# Altium PCB HYDRA_V4_LINK_OLD.PcbDoc (part 1 of 2) (continued)
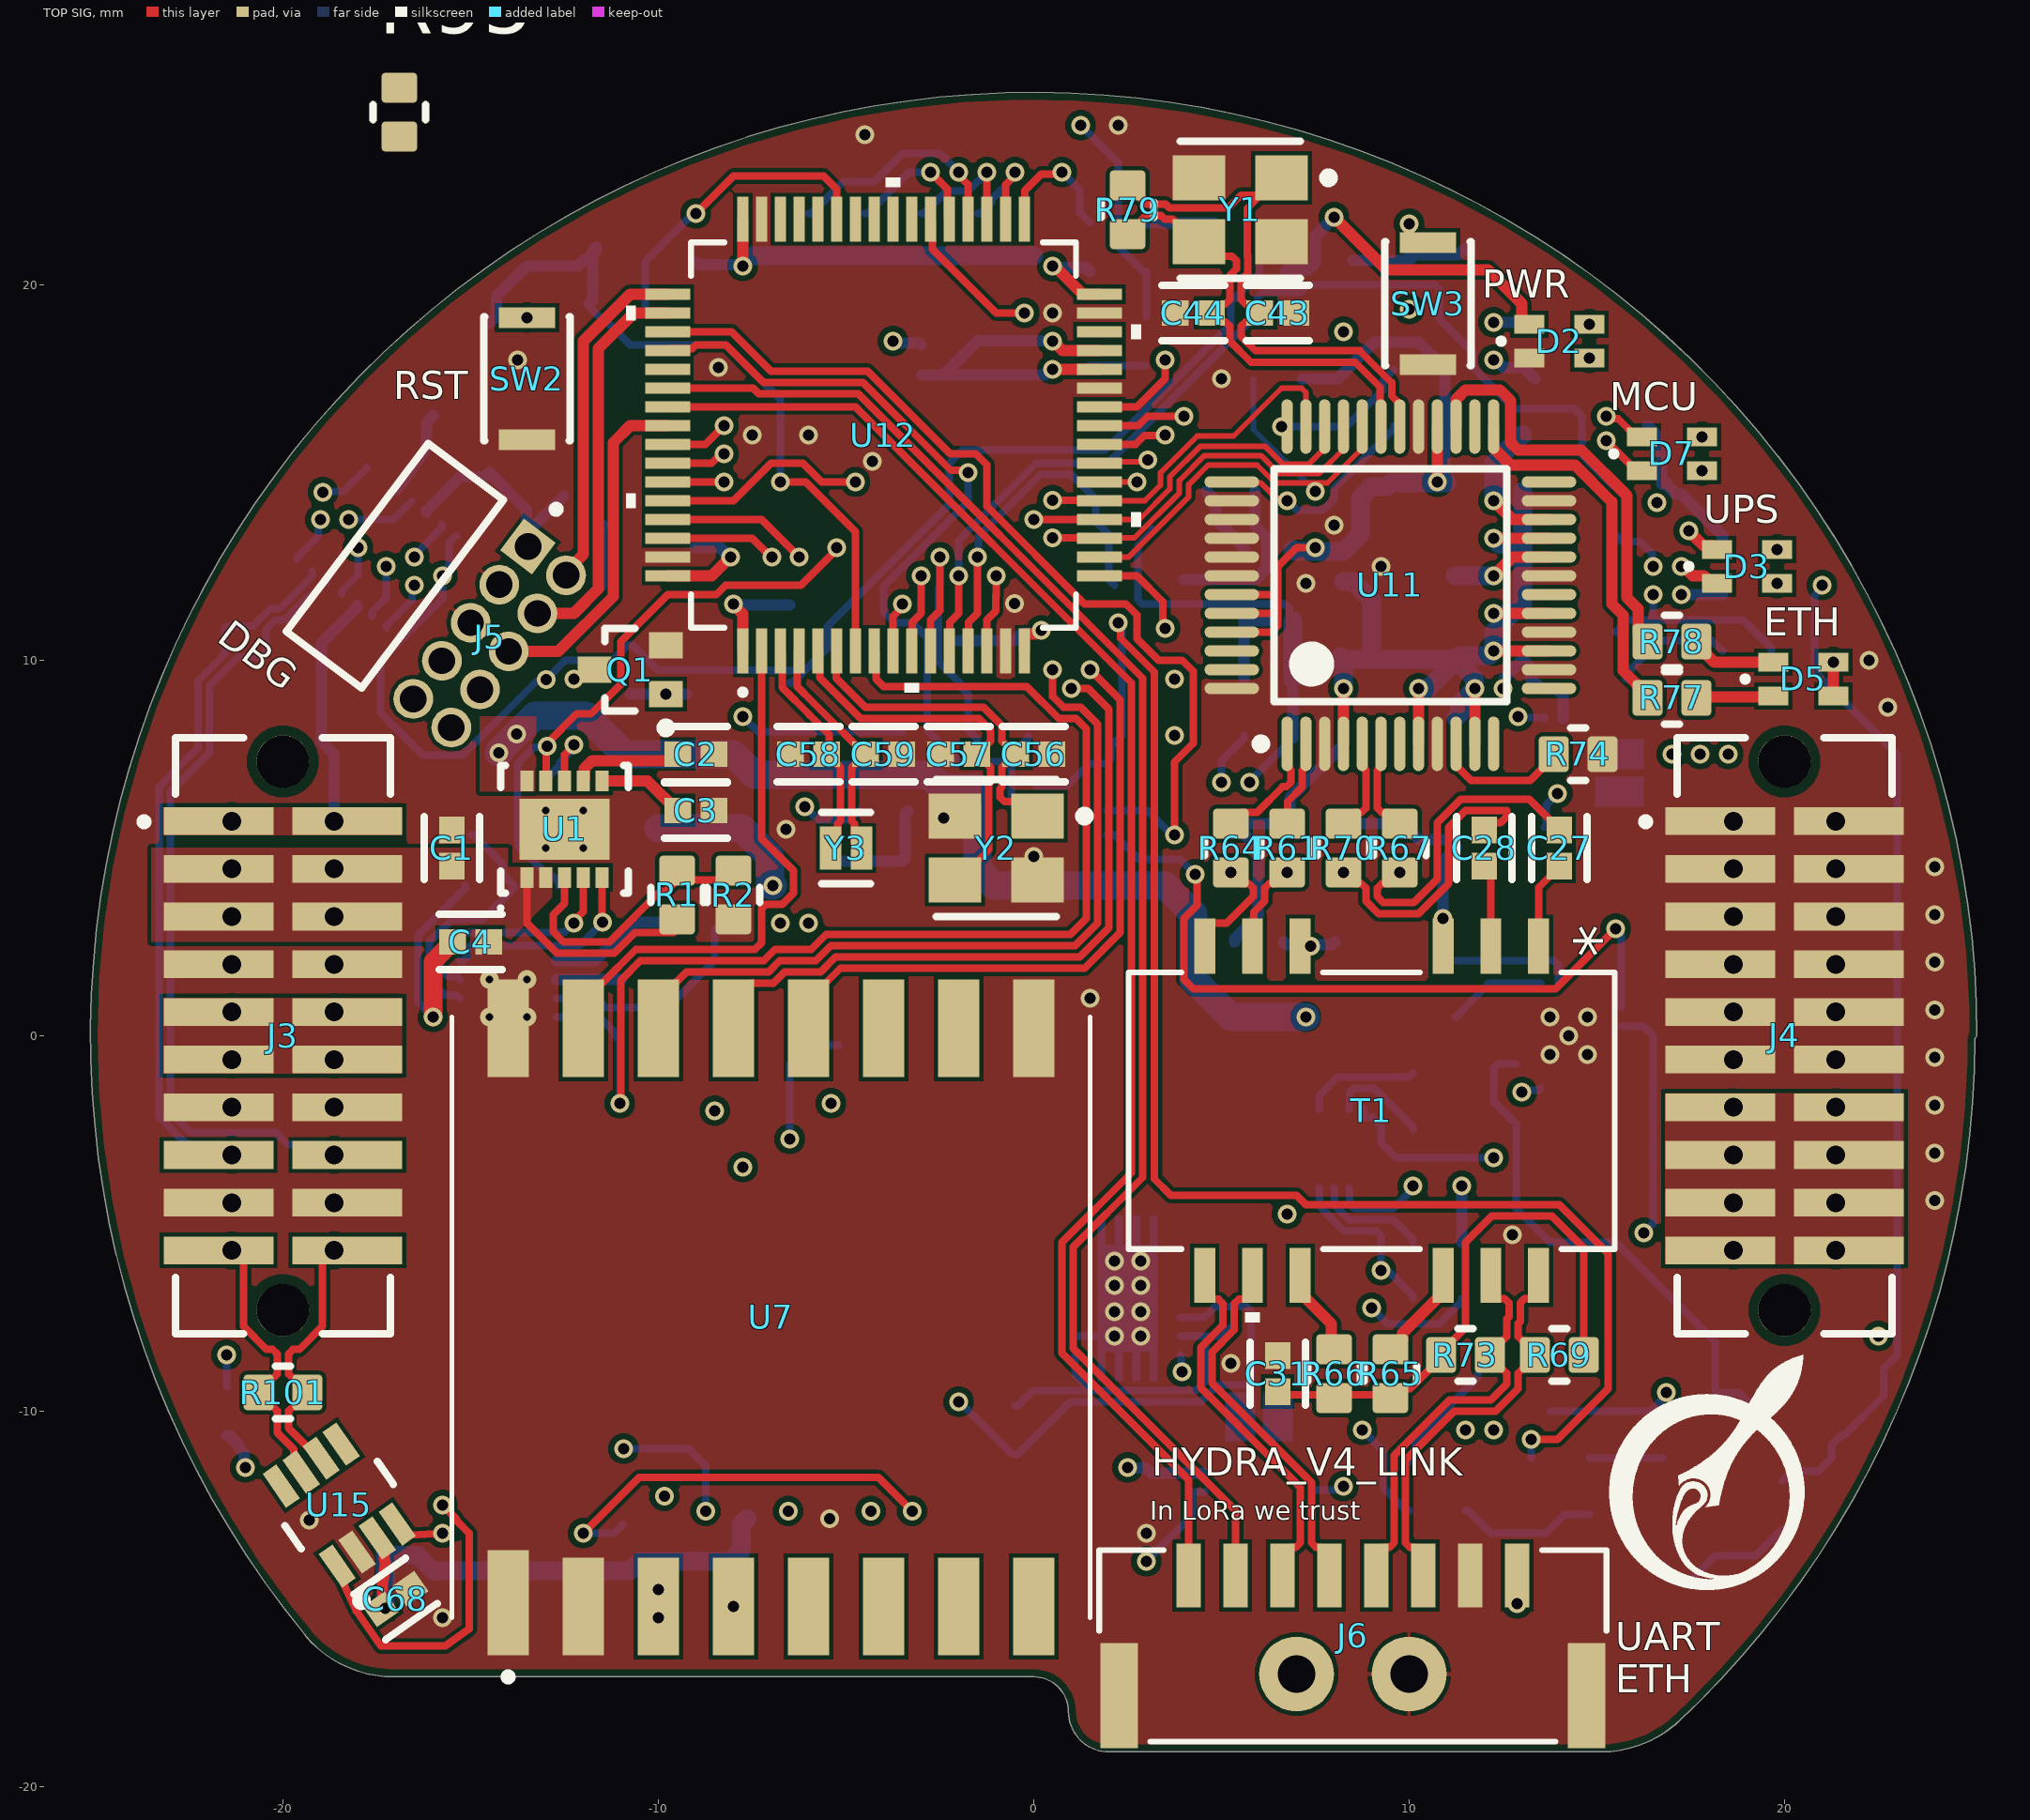
[diagram p0: TOP SIG view]
## Footprints (in the part's own frame and the unit in brackets; to place one, negate y for a bottom-side part, rotate by r counter-clockwise, add the part's x,y. Pads: shape width x height; smd on the part's side, far side on the other; paste and mask are expansions set on the pad)
"AiThinker RA-02 LoRa Module-Footprint-1" [mm]
  rect 2.8x1.1 smd: 1(-7.6,7)
  rect 2.6x1.1 smd: 2(-7.7,5) 3(-7.7,3) 4(-7.7,1) 5(-7.7,-1) 6(-7.7,-3) 7(-7.7,-5) 8(-7.7,-7) 9(7.7,-7) 10(7.7,-5) 11(7.7,-3) 12(7.7,-1) 13(7.7,1) 14(7.7,3) 15(7.7,5) 16(7.7,7)
  silkscreen extent -9.68,-8.5 8,8.5, body extent -8,-8.5 8,8.5, height 3.3
ALANL100X1-DE12DT-Footprint-1 [mil]
  rect 58x22 smd paste+0 mask+0: 1(-172.5,175) 2(-172.5,125) 3(-172.5,75) 4(-172.5,-75) 5(-172.5,-125) 6(-172.5,-175) 7(172.5,-175) 8(172.5,-125) 9(172.5,-75) 10(172.5,75) 11(172.5,125) 12(172.5,175)
  silkscreen extent -145,-255 222,255, body extent -188,-250 188,250, height 85
ALEG-EX-12_V [mm] "QFN, 12-Leads, Body 3x3mm, Height 0.8mm"
  rect 0.5x0.3 smd paste-0.5 mask-0.5: 1(-1.348,0.682) 2(-1.348,0.301) 3(-1.348,-0.318) 4(-1.348,-0.699)
  rect 0.3x0.85 smd: 5(0.148,-1.45) 6(0.648,-1.45) 11(0.648,1.45) 12(0.148,1.45)
  rect 0.85x0.3 smd: 7(1.348,-0.75) 8(1.348,-0.25) 9(1.348,0.25) 10(1.348,0.75)
  TOP SIG region: -2.002,-0.1 -0.702,-0.1 -0.702,-0.9 -2.002,-0.9
  TOP SIG region: -2.002,0.9 -0.702,0.9 -0.702,0.1 -2.002,0.1
  silkscreen extent -2.68,-1.5 1.5,1.5, body extent -1.5,-1.5 1.5,1.5, height 0.81
DIOD-SOT323-3_V [mm] "SOT323, 3-Leads, Body 2.2x1.35mm, Pitch 0.65mm"
  rect 0.9x0.7 smd: 1(-0.95,0.65) 2(-0.95,-0.65) 3(0.95,0)
  silkscreen extent -1.08,-1.1 0.67,1.67, body extent -1.1,-1.1 1.1,1.1, height 1.07
DSQ0010A_V [mm] "SON, 10-Leads, Body 2x2mm, Pitch 0.4mm, Thermal Pad 1.5x0.9mm"
  rrect43% 0.7x0.23 smd: 1(-1.05,0.8) 2(-1.05,0.4) 3(-1.05,0) 4(-1.05,-0.4) 5(-1.05,-0.8) 6(1.05,-0.8) 7(1.05,-0.4) 8(1.05,0) 9(1.05,0.4) 10(1.05,0.8)
  rrect11% 0.9x1.5 smd: 11(0,0)
  silkscreen extent -1.5,1 -1.4,1.1, body extent -1,-1 1,1, height 0.8
FP-0402-L_1_0_0_05-W_0_5-IPC_A [mm]
  rect 0.715x0.672 smd paste+0 mask+0: 1(-0.479,0) 2(0.479,0)
  silkscreen extent -0.84,-0.74 0.84,0.74, body extent -1.04,-0.54 1.04,0.54, height 0.25
FP-0805-L_2_0_0_2-W_1_25-MFG [mm]
  rect 1x1.25 smd paste+0 mask+0: 1(-1,0) 2(1,0)
  silkscreen extent -0.13,-0.72 0.13,0.72, body extent -1,-0.63 1,0.63, height 1.45
FP-ABM8G-MFG [mm]
  rect 1.4x1.2 smd paste+0 mask+0: 1(-1.1,-0.85) 2(1.1,-0.85) 3(1.1,0.85) 4(-1.1,0.85)
  silkscreen extent -2.48,-1.83 1.6,1.83, body extent -1.9,-1.55 1.9,1.55, height 0.25
FP-BLM15-0_05-MFG [mm]
  rect 0.4x0.5 smd paste+0 mask+0: 1(-0.4,0) 2(0.4,0)
  silkscreen extent -0.53,-0.63 0.52,0.63, body extent -0.5,-0.25 0.5,0.25, height 0.55
FP-C0805C-DG-MFG [mm]
  rect 0.95x1.35 smd paste+0 mask+0: 1(-0.75,0) 2(0.75,0)
  silkscreen extent -1.11,-1.08 1.1,1.07, body extent -1,-0.63 1,0.63, height 1.4
FP-DCN0008A-MFG [mm]
  rect 1.1x0.45 smd paste+0 mask+0: 1(-1.3,0.975) 2(-1.3,0.325) 3(-1.3,-0.325) 4(-1.3,-0.975) 5(1.3,-0.975) 6(1.3,-0.325) 7(1.3,0.325) 8(1.3,0.975)
  silkscreen extent -2.55,-1.5 0.37,1.5, body extent -1.4,-1.45 1.4,1.45, height 1.45
FP-DSJ0014A-MFG [mm]
  rrect100% 0.24x0.6 smd paste+0 mask+0: 1(-1.5,-1.4) 2(-1,-1.4) 3(-0.5,-1.4) 4(0,-1.4) 5(0.5,-1.4) 6(1,-1.4) 7(1.5,-1.4) 8(1.5,1.4) 9(1,1.4) 10(0.5,1.4) 11(0,1.4) 12(-0.5,1.4) 13(-1,1.4) 14(-1.5,1.4)
  round 1.422 smd paste-1000 mask+0: 15(0,0)
  TOP SIG region: -2.2,0.79 2.2,0.79 2.2,0.59 1.425,0.59 1.425,0.33 2.2,0.33 2.2,0.13 1.425,0.13 1.425,-0.13 2.2,-0.13 2.2,-0.33 1.425,-0.33 1.425,-0.59 2.2,-0.59 2.2,-0.79 -2.2,-0.79 -2.2,-0.59 -1.425,-0.59 -1.425,-0.33 -2.2,-0.33 -2.2,-0.13 -1.425,-0.13 -1.425,0.13 -2.2,0.13 -2.2,0.33 -1.425,0.33 -1.425,0.59 -2.2,0.59
  silkscreen extent -2.9,-1.6 2.07,1.58, body extent -2,-1.5 2,1.5, height 1
FP-ECX-1210-MFG [mm]
  rect 0.575x1.14 smd paste+0 mask+0: 1(-0.413,0) 2(0.413,0)
  silkscreen extent -0.65,-0.95 0.65,0.95, body extent -0.8,-0.67 0.8,0.67, height 0.25
FP-ERBRE-MFG [mm]
  rect 0.65x0.9 smd: 1(-0.725,0) 2(0.725,0)
  silkscreen extent 0,-0.48 0,0.48, body extent -0.8,-0.4 0.8,0.4, height 0.65
FP-GRM21B-0_2-e0_2_0_7-IPC_B [mm]
  rect 1.255x1.456 smd paste+0 mask+0: 1(-0.826,0) 2(0.826,0)
  silkscreen extent -1.45,-1.13 1.45,1.13, body extent -1,-0.63 1,0.63, height 1.45
FP-GRM21B-0_15-MFG [mm]
  rect 0.7x1.3 smd paste+0 mask+0: 1(-0.95,0) 2(0.95,0)
  silkscreen extent -0.23,-0.7 0.23,0.7, body extent -1,-0.63 1,0.63, height 1.4
FP-IHLP-1616AB-FP_1_8545x-MFG [mil]
  rect 73.01x90 smd paste+0 mask+0: 1(-74.5,0) 2(74.5,0)
  silkscreen extent -85,-85 85,85, body extent -88,-80 88,80, height 47
FP-KXT331LHS-MFG [mm]
  rect 0.55x1.5 smd paste+0 mask+0: 1(-1.625,0) 2(1.625,0)
  silkscreen extent -1.65,-1.15 1.65,1.15, body extent -2,-1.25 2,1.25, height 0.25
FP-POSCAP-B2-MFG [mm]
  rect 1.6x2.7 smd paste+0 mask+0: 1(-1.5,0) 2(1.5,0)
  silkscreen extent -0.33,-1.5 3.25,1.5, body extent -1.75,-1.4 1.75,1.4, height 2
FP-SSOP6-P-0_65A-MFG [mm]
  rect 0.8x0.4 smd paste+0 mask+0: 1(-0.95,0.65) 2(-0.95,0) 3(-0.95,-0.65) 4(0.95,-0.65) 5(0.95,0) 6(0.95,0.65)
  silkscreen extent -2.05,-1.1 0.18,1.1, body extent -1.05,-1 1.05,1, height 1
FTSH-105-01-F-D-RA-K-Footprint-1 [mm]
  rect 1.06x1.06 hole 0.71: 01(2.54,0)
  round 1.06 hole 0.71: 02(2.54,-1.27) 03(1.27,0) 04(1.27,-1.27) 05(0,0) 06(0,-1.27) 07(-1.27,0) 08(-1.27,-1.27) 09(-2.54,0) 10(-2.54,-1.27)
  silkscreen extent -3.13,-0.1 3.88,3.78, body extent -3.14,-1.54 3.14,6.92, height 5.04
LM66200DRLR-Footprint-1 [mil]
  rect 28x9 smd paste+0 mask+0: 1(-31.5,29.53) 2(-31.5,9.84) 3(-31.5,-9.84) 4(-31.5,-29.53) 5(31.5,-29.53) 6(31.5,-9.84) 7(31.5,9.84) 8(31.5,29.53)
  silkscreen extent -71,-48 30,48, body extent -34,-44 34,44, height 25
MOLX-473521001_V [mm] "SMD, 8-Leads, Body 15.2x14mm, Pitch 1.1mm"
  rect 0.8x1.5 smd: 1(1.94,-3.66) 2(0.84,-3.26) 3(-0.26,-3.66) 4(-1.36,-3.86) 5(-2.46,-3.66) 6(-3.56,-3.86) 7(-4.66,-3.66) 8(-5.76,-3.66)
  rect 1x0.95 smd: 9(-3.56,7.425)
  rect 1.3x1.4 smd: 10(-4.95,7.2) 11(0.75,7.2)
  rect 1.4x1.9 smd: 12(6.6,-6.95) 13(-6.55,-5.95)
  silkscreen extent -7,-7.6 7.77,7.6, body extent -7.05,-7.6 7.05,7.6, height 1.85
ONSC-SOD-523-2-502-01_V [mm] "SOD, 2-Leads, Body 1.2x0.8mm"
  rect 0.48x0.4 smd: 1(-0.66,0) 2(0.66,0)
  silkscreen extent -0.75,-0.4 0.07,0.65, body extent -0.6,-0.4 0.6,0.4, height 0.7
ONSC-SOT-363-6-419B-02_W_V [mm] "SOT23, 6-Leads, Body 2x1.25mm, Pitch 0.65mm"
  rect 0.5x0.4 smd: 1(-0.95,0.65) 2(-0.95,0) 3(-0.95,-0.65) 4(0.95,-0.65) 5(0.95,0) 6(0.95,0.65)
  silkscreen extent -1.07,-1.1 0.3,1.52, body extent -0.63,-1 0.63,1, height 1.1
PSON50P300X100_HS-11N [mm] "PSON, 10-Leads, Body 3.00x3.00mm, Pitch 0.50mm, Thermal Pad 2.40x1.62mm, IPC Medium Density"
  rect 0.55x0.35 smd: 1(-1.285,1) 2(-1.285,0.5) 3(-1.285,0) 4(-1.285,-0.5) 5(-1.285,-1) 6(1.285,-1) 7(1.285,-0.5) 8(1.285,0) 9(1.285,0.5) 10(1.285,1)
  rect 1.62x2.4 smd: 11(0,0)
  silkscreen extent -2.15,-1.7 1.7,1.75, body extent -1.55,-1.55 1.55,1.55, height 1
R0603B [mm] "Chip Resistor, 0603, 2-Leads, Body 1.58x0.85mm, IPC Medium Density"
  rrect25% 0.8x0.95 smd: 1(-0.65,0) 2(0.65,0)
  silkscreen extent -0.2,-0.7 0.2,0.7, body extent -0.82,-0.48 0.82,0.48, height 0.5
RGT0016C_V [mm] "QFN, 16-Leads, Body 3x3mm, Pitch 0.5mm, Thermal Pad 1.65x1.65mm"
  rrect40% 0.6x0.25 smd: 1(-1.4,0.75) 2(-1.4,0.25) 3(-1.4,-0.25) 4(-1.4,-0.75) 9(1.4,-0.75) 10(1.4,-0.25) 11(1.4,0.25) 12(1.4,0.75)
  rrect40% 0.25x0.6 smd: 5(-0.75,-1.4) 6(-0.25,-1.4) 7(0.25,-1.4) 8(0.75,-1.4) 13(0.75,1.4) 14(0.25,1.4) 15(-0.25,1.4) 16(-0.75,1.4)
  rrect6% 1.55x1.55 on Bottom Paste: 17(0,0)
  rrect6% 1.7x1.7 smd paste-0.85: 17(0,0)
  silkscreen extent -2.35,-1.57 1.57,1.58, body extent -1.5,-1.5 1.5,1.5, height 1
SFML-110-02-L-D-A-Footprint-1 [mm]
  rect 0.74x2.22 smd: 01(-5.715,1.365) 02(-5.715,-1.365) 03(-4.445,1.365) 04(-4.445,-1.365) 05(-3.175,1.365) 06(-3.175,-1.365) 07(-1.905,1.365) 08(-1.905,-1.365) 09(-0.635,1.365) 10(-0.635,-1.365) 11(0.635,1.365) 12(0.635,-1.365) 13(1.905,1.365) 14(1.905,-1.365) 15(3.175,1.365) 16(3.175,-1.365) 17(4.445,1.365) 18(4.445,-1.365) 19(5.715,1.365) 20(5.715,-1.365)
  round 1.4 hole 1.4 unplated: ""(-7.305,0) ""(7.305,0)
  silkscreen extent -6.54,-1.53 6.54,3.17, body extent -7.94,-2.04 7.94,2.16, height 4.57
SM08B-GHS-TB(LF)(SN);--Footprint-1 [mil]
  rect 26x67 smd paste+0 mask+0: 1(-172.24,73.85) 2(-123.03,73.85) 3(-73.82,73.85) 4(-24.61,73.85) 5(24.61,73.85) 6(73.82,73.85) 7(123.03,73.85) 8(172.24,73.85)
  rect 39x110 smd paste-55 mask-55: 9(-245.08,-52.14) 10(245.08,-52.14)
  silkscreen extent -266,-100 266,100, body extent -261,-95 261,95, height 167
STM32G473RET6TR-Footprint-1 [mm]
  rect 1.194x0.305 smd paste+0 mask+0: 1(-5.75,3.75) 2(-5.75,3.25) 3(-5.75,2.75) 4(-5.75,2.25) 5(-5.75,1.75) 6(-5.75,1.25) 7(-5.75,0.75) 8(-5.75,0.25) 9(-5.75,-0.25) 10(-5.75,-0.75) 11(-5.75,-1.25) 12(-5.75,-1.75) 13(-5.75,-2.25) 14(-5.75,-2.75) 15(-5.75,-3.25) 16(-5.75,-3.75) 33(5.75,-3.75) 34(5.75,-3.25) 35(5.75,-2.75) 36(5.75,-2.25) 37(5.75,-1.75) 38(5.75,-1.25) 39(5.75,-0.75) 40(5.75,-0.25) 41(5.75,0.25) 42(5.75,0.75) 43(5.75,1.25) 44(5.75,1.75) 45(5.75,2.25) 46(5.75,2.75) 47(5.75,3.25) 48(5.75,3.75)
  rect 0.305x1.194 smd paste+0 mask+0: 17(-3.75,-5.75) 18(-3.25,-5.75) 19(-2.75,-5.75) 20(-2.25,-5.75) 21(-1.75,-5.75) 22(-1.25,-5.75) 23(-0.75,-5.75) 24(-0.25,-5.75) 25(0.25,-5.75) 26(0.75,-5.75) 27(1.25,-5.75) 28(1.75,-5.75) 29(2.25,-5.75) 30(2.75,-5.75) 31(3.25,-5.75) 32(3.75,-5.75) 49(3.75,5.75) 50(3.25,5.75) 51(2.75,5.75) 52(2.25,5.75) 53(1.75,5.75) 54(1.25,5.75) 55(0.75,5.75) 56(0.25,5.75) 57(-0.25,5.75) 58(-0.75,5.75) 59(-1.25,5.75) 60(-1.75,5.75) 61(-2.25,5.75) 62(-2.75,5.75) 63(-3.25,5.75) 64(-3.75,5.75)
  silkscreen extent -6.93,-6.85 6.85,6.85, body extent -6,-6 6,6, height 1.6
TCAN1146DYYRQ1-Footprint-1 [mil]
  rect 38.5x12 smd paste+0 mask+0: 1(-60.75,59.07) 2(-60.75,39.38) 3(-60.75,19.69) 4(-60.75,0) 5(-60.75,-19.69) 6(-60.75,-39.38) 7(-60.75,-59.07) 8(60.75,-59.07) 9(60.75,-39.38) 10(60.75,-19.69) 11(60.75,0) 12(60.75,19.69) 13(60.75,39.38) 14(60.75,59.07)
  silkscreen extent -47,-90 100,90, body extent -66,-84 66,84, height 43
TFML-110-02-L-D-A-Footprint-1 [mm]
  rect 0.74x2.92 smd: 01(-5.715,-1.715) 02(-5.715,1.715) 03(-4.445,-1.715) 04(-4.445,1.715) 05(-3.175,-1.715) 06(-3.175,1.715) 07(-1.905,-1.715) 08(-1.905,1.715) 09(-0.635,-1.715) 10(-0.635,1.715) 11(0.635,-1.715) 12(0.635,1.715) 13(1.905,-1.715) 14(1.905,1.715) 15(3.175,-1.715) 16(3.175,1.715) 17(4.445,-1.715) 18(4.445,1.715) 19(5.715,-1.715) 20(5.715,1.715)
  round 1.4 hole 1.4 unplated: ""(-7.305,0) ""(7.305,0)
  silkscreen extent -7.94,-3.8 7.94,2.86, body extent -7.94,-2.92 7.94,2.92, height 5.59
TSQFP50P900X900X160-48N [mm] "TSQFP, 48-Leads, Body 7.00x7.00mm, Pitch 0.50mm, IPC Medium Density"
  oval 1.45x0.3 smd: 1(-4.225,2.75) 2(-4.225,2.25) 3(-4.225,1.75) 4(-4.225,1.25) 5(-4.225,0.75) 6(-4.225,0.25) 7(-4.225,-0.25) 8(-4.225,-0.75) 9(-4.225,-1.25) 10(-4.225,-1.75) 11(-4.225,-2.25) 12(-4.225,-2.75) 25(4.225,-2.75) 26(4.225,-2.25) 27(4.225,-1.75) 28(4.225,-1.25) 29(4.225,-0.75) 30(4.225,-0.25) 31(4.225,0.25) 32(4.225,0.75) 33(4.225,1.25) 34(4.225,1.75) 35(4.225,2.25) 36(4.225,2.75)
  oval 0.3x1.45 smd: 13(-2.75,-4.225) 14(-2.25,-4.225) 15(-1.75,-4.225) 16(-1.25,-4.225) 17(-0.75,-4.225) 18(-0.25,-4.225) 19(0.25,-4.225) 20(0.75,-4.225) 21(1.25,-4.225) 22(1.75,-4.225) 23(2.25,-4.225) 24(2.75,-4.225) 37(2.75,4.225) 38(2.25,4.225) 39(1.75,4.225) 40(1.25,4.225) 41(0.75,4.225) 42(0.25,4.225) 43(-0.25,4.225) 44(-0.75,4.225) 45(-1.25,4.225) 46(-1.75,4.225) 47(-2.25,4.225) 48(-2.75,4.225)
  silkscreen extent -4.35,-3.1 3.1,3.57, body extent -4.5,-4.5 4.5,4.5, height 1.6
WL-SBCD_0606 [mm] "SMT Bi-color Chip LED Diffuesed, body 1.5x1.6mm"
  rect 0.5x0.8 smd: 1(-0.45,0.8) 2(-0.45,-0.8) 3(0.45,-0.8) 4(0.45,0.8)
  silkscreen extent -0.07,1.47 0.07,1.62, body extent -0.75,-0.8 0.75,0.8, height 0.55

## Part data
C1 C2 C3 C4 C5 C6 C8 C14 C16 C17 C18 C19 C20 C24 C25 C27 C28 C29 C30 C31 C32 C33 C34 C35 C36 C37 C38 C39 C40 C41 C42 C43 C44 C45 C46 C47 C48 C49 C50 C51 C52 C53 C54 C55 C56 C57 C58 C59 C61 C62 C63 C64 C65 C68: library part CMP-001-00058-1, "LARGE PADS, 0402 CAP, CHANGE COMMENT TO MATCH REAL P/N", Capacitor Type=Ceramic, Case/Package=0402, Max Operating Temperature=85°C, Min Operating Temperature=-55°C, Mounting Technology="Surface Mount", Pins=2, RoHS Compliant=Yes
C7 C9 C10: library part CMP-2007-03243-2, "CAP CER 10UF 10V X5R 0805", 3DS Part Number=220-00001, Capacitance=10uF, Manufacturer=Kemet, Package=C0805C-DG, Temperature="-55°C to +85°C", Temperature Characteristic=X5R, Temperature Coefficient=15%, Temperature Range High=+85°C, Temperature Range Low=-55°C, Tolerance=10%, Voltage=10V, Automotive=No, Category=Cap, ComponentLink2Description=Datasheet, ComponentLink2URL=https://content.kemet.com/datasheets/KEM_C1006_X5R_SMD.pdf, Device Class L1="Passive Components", Device Class L2=Capacitors, Device Class L3="Ceramic Capacitors", Digikey Description="CAP CER 10UF 10V X5R 0805", Height=1.4mm, Ipc Land Pattern Name=CAPC200125X125, Lead Free=Yes, Manufacturer Part Number=C0805C106K8PACTU, Material=Ceramic, Mouser Description="CAP CER 10UF 10V X5R 0805", Octopart=https://octopart.com/c0805c106k8pactu-kemet-98697, RoHS=TRUE, Voltage Rating=10V
C11 C12 C13: library part CMP-2007-03385-2, "Chip Multilayer Ceramic Capacitors for General Purpose, 0805, 22uF, X5R, 15%, 20%, 6.3V", Capacitance=22uF, Case Code (Imperial)=0805, Case Code (Metric)=2012, Dielectric=X5R, Max Operating Temperature=85°C, Min Operating Temperature=-55°C, Package Quantity=1, Tolerance=20%, Voltage=6.3V, Case/Package=0805, Depth=1.25mm, Height=1.25mm, Lead Free="Lead Free", Length=2mm, Material=Ceramic, Mount="Surface Mount", Packaging="Tape and Reel", Radiation Hardening=No, REACH SVHC="No SVHC", Termination=SMD/SMT, Thickness=0.053inch, Voltage Rating=6.3V, Voltage Rating (DC)=6.3V, Width=0.049inch
C15 C26: library part CMP-05428-001141-1, "Molded Tantalum Polymer Capacitor 100uF 20% 4V life 1000Hours SMD 1411", Capacitance=100uF, Case Code (Imperial)=1210, Case Code (Metric)=3528, Case/Package=Molded, ESR (Equivalent Series Resistance)=35mR, Leakage Current=40uA, Max Operating Temperature=105°C, Min Operating Temperature=-55°C, Package Quantity=2000, Ripple Current=1.4A, Tolerance=20%, Voltage=4V, Construction=Flat, Depth=2.8mm, Dissipation Factor=8%, Features="General Purpose", Height=1.9mm, Height - Seated (Max)=0.079inch, Lead Free="Lead Free", Length=3.5mm, Mount="Surface Mount", Number of Pins=2, Packaging="Tape and Reel", Polarity=Polar, Radiation Hardening=No, REACH SVHC="No SVHC", RoHS Compliant=Yes, Series="POSCAP™ TPE", Termination=SMD/SMT, Voltage Rating=4V, Voltage Rating (DC)=4V, Width=2.8mm
C21 C22: library part CMP-2007-03222-3, "Chip Multilayer Ceramic Capacitors for General Purpose, 0805, 22uF, X5R, 15%, 20%, 25V", Capacitance=22uF, Case Code (Imperial)=0805, Case Code (Metric)=2012, Dielectric=X5R, Max Operating Temperature=85°C, Min Operating Temperature=-55°C, Package Quantity=3000, Resistor Type=Ceramic, Tolerance=20%, Voltage=25V, Case/Package=0805, Depth=1.25mm, Height=1.25mm, Lead Free="Lead Free", Length=2mm, Material=Ceramic, Mount="Surface Mount", Packaging="Tape and Reel", REACH SVHC="No SVHC", Termination=SMD/SMT, Thickness=0.057inch, Voltage Rating=25V, Voltage Rating (DC)=25V, Weight=0.000335oz, Width=1.25mm
C23: library part CMP-14477-000079-3, "Multilayer Ceramic Capacitor 10uF 25V X5R 10% SMD 0805 T/R", Capacitance=10uF, Case Code (Imperial)=0805, Case Code (Metric)=2012, Dielectric=X7R, Max Operating Temperature=85°C, Min Operating Temperature=-55°C, Package Quantity=1, Resistor Type=Ceramic, Tolerance=10%, Voltage=16V, Voltage Rating=25V, Case/Package=0805, Height=1.25mm, Lead Free="Lead Free", Length=0.079inch, Mount="Surface Mount", Number of Pins=2, Packaging="Tape and Reel", REACH SVHC="No SVHC", RoHS Compliant=Yes, Series=M, Termination=SMD/SMT, Thickness=0.053inch, Voltage Rating (DC)=25V, Width=0.049inch
D1: library part CMP-1060-00750-1, "Zener Voltage Regulator, 500 mW, 2-Pin SOD-523, Pb-Free, Tape and Reel", Manufacturer="On Semiconductor", ComponentLink1Description="Manufacturer URL", ComponentLink1URL=http://www.onsemi.com/, ComponentLink2Description=Datasheet, ComponentLink2URL=http://www.onsemi.cn/pub_link/Collateral/MM5Z2V4T1-D.PDF, ComponentLink3Description="Package Specification", ComponentLink3URL=http://www.onsemi.com/pub_link/Collateral/502-01.PDF, DatasheetVersion="Rev. 10", Mounting Technology="Surface Mount", P Max (W)=0.5, PackageDescription="2-Pin SOD, Body 1.2 x 0.8 mm", PackageReference=SOD-523-2-502-01, PackageVersion="Rev. E, 09/2010", Packing="Tape and Reel", PartNumber=MM5Z3V3T1G, RoHS=Pb-Free, VZ Typ (V)=3.3
D2 D3 D5 D7: library part CMP-004-00040-2, "Led, Red/Grn, 180Mcd/230Mcd, 624Nm/525Nm Rohs Compliant: Yes", Component Type=Standard, Design Item ID=CMP-004-00034-2, Pins=4, Source=rgled.SchLib
F1 F2 F3: library part CMP-00287-21220540-1, "ERB-RE2R00V Fuse Chip Fast Acting 2A 32V SMD Solder Pad 0603 1.6 X 0.8 X 0.54mm T/R UL/cUL", Case Code (Imperial)=0603, Case Code (Metric)=1608, Current=2A, Max Operating Temperature=125°C, Max Voltage Rating (DC)=32V, Min Operating Temperature=-40°C, Resistance=51mΩ, Approvals=UL, Body Material=Alumina, Case/Package=0603, Current Rating=2A, Depth=800µm, Fuse Current=2A, Height=640µm, Lead Free="Lead Free", Length=1.6mm, Lifecycle Status=Production, Mount="Surface Mount", Number of Pins=2, Packaging="Cut Tape", Radiation Hardening=No, REACH SVHC="No SVHC", RoHS=Compliant, Voltage Rating=32V, Voltage Rating (DC)=32V, Width=800µm
FB1: library part CMP-0686-00170-4, "Chip Ferrite Bead, 0402, 120Ω @ 100MHz, 0.19Ω, 25%, 550mA", Case Code (Imperial)=0402, Case Code (Metric)=1005, Current Rating=550mA, DC Current=500mA, DC Resistance (DCR)=190mR, Frequency=100MHz, Max Operating Temperature=125°C, Min Operating Temperature=-55°C, Package Quantity=1, Tolerance=25%, Case/Package=0402, Core Material=Ferrite, Depth=0.55mm, Height=0.5mm, Impedance=120R, Lead Free="Lead Free", Length=1mm, Material=Steel, Max Current Rating=550mA, Max DC Current=500mA, Military Standard=Not, Number of Circuits=1, Number of Lines=1, Number of Pins=2, Packaging="Tape and Reel", Radiation Hardening=No, REACH SVHC="No SVHC", Shielding=Unshielded, Termination=SMD/SMT, Test Frequency=100MHz, Width=0.5mm
FB2: library part CMP-0686-00252-4, "Chip Ferrite Bead, 0402, 600Ω @ 100MHz, 0.23Ω, 25%, 900mA", Case Code (Imperial)=0402, Case Code (Metric)=1005, Current Rating=900mA, DC Resistance (DCR)=230mR, Max Operating Temperature=125°C, Min Operating Temperature=-55°C, Package Quantity=10000, Test Frequency=100MHz, Tolerance=25%, Case/Package=0402, Height=0.5mm, Impedance=600R, Lead Free="Lead Free", Length=1mm, Material=Steel, Max Current Rating=900mA, Max DC Current=900mA, Number of Circuits=1, Number of Lines=1, Number of Pins=2, Packaging="Tape and Reel", Termination=SMD/SMT, Width=0.5mm
J1 J2: library part CMP-002-00043-1, "Board Connector, 20 Contact(s), 2 Row(s), Female, Straight, 0.05 inch Pitch, Surface Mount Terminal, Locking, Black Insulator, Socket", Connector Type="BOARD CONNECTOR", Mounting Technology=Board, RoHS Compliant=Yes
J3 J4: library part CMP-002-00042-3, "Board Connector, 20 Contact(s), 2 Row(s), Male, Straight, Surface Mount Terminal", Connector Type="BOARD CONNECTOR", Mounting Technology=Board, RoHS Compliant=Yes
J5: library part CMP-002-00041-5, "Board Connector, 10 Contact(s), 2 Row(s), Male, Right Angle, 0.05 inch Pitch, Surface Mount Terminal, Locking, Black Insulator", Connector Type="BOARD CONNECTOR", Mounting Technology=Board, RoHS Compliant=Yes
J6: library part CMP-002-00079-3, "Connector Header, GH Series, 8 Position, 1.25mm, 30-26 AWG, 50V, Surface Mount, Right Angle, Solder, Locking Ramp"
L1 L2: library part CMP-02424-000161-1, "Fixed Inductors Commercial High Saturation Series SMT 1uH 4A 52.5mΩ 20%", Case Code (Imperial)=1616, Case Code (Metric)=4040, Current Rating=4A, DC Resistance (DCR)=52.5mR, Inductance=1uH, Inductance Tolerance=20%, Max DC Current=8.5A, Max Operating Temperature=125°C, Min Operating Temperature=-55°C, Package Quantity=4000, Saturation Current=7A, Self Resonant Frequency=64MHz, Test Frequency=100kHz, Case/Package=1616, Contact Plating=Tin, Core Material=Metal, Depth=4.31mm, Height=1.2mm, Height - Seated (Max)=0.047inch, Lead Free="Lead Free", Length=4.7mm, Military Standard=Not, Mount="Surface Mount", Number of Pins=1616, Packaging="Tape and Reel", Radiation Hardening=No, RMS Current (Irms)=4A, Shielding=Shielded, Termination=SMD/SMT, Tolerance=20%, Width=0.16inch
Q1: library part CMP-2000-05968-1, "N-Channel Enhancement Mode Mosfet, 50 V, 200 mA, -55 to 150 degC, 6-Pin SOT-323, RoHS, Tape and Reel", Id - Continuous Drain Current=200mA, Manufacturer=DiodesIncorporated, Maximum Operating Temperature=+150C, Minimum Operating Temperature=-55C, Package / Case=SOT-323-3, Package Description="3-Pin Small Outline Transistor, Body 2 x 1.25 mm, Pitch 0.65 mm", Package Reference=SOT323, Pd - Power Dissipation=200mW, Rds On - Drain-Source Resistance=1.4Ohms, Vds - Drain-Source Breakdown Voltage=75V, Vgs - Gate-Source Voltage=20V, Brand=DiodesIncorporated, Channel Mode=Enhancement, Configuration=Single, Datasheet URL=http://www.diodes.com/_files/datasheets/ds30206.pdf, Datasheet Version="Rev. 11-2, 09/2013", Factory Pack Quantity=3000, Forward Transconductance - Min=0.1S, Height=1mm, Length=2.2mm, Manufacturer URL=http://www.diodes.com/, Mounting Style=SMD/SMT, Mounting Technology=SurfaceMount, Number of Channels=1Channel, Packaging=Reel, Product=MOSFETSmallSignal, Product Category=MOSFET, RoHS=True, Series=BSS138, Technology=Si, Transistor Polarity=N-Channel, Transistor Type=1N-Channel, Type=EnhancementModeFieldEffectTransistor, Typical Turn-Off Delay Time=20ns, Typical Turn-On Delay Time=20ns, Unit Weight=0.000212oz, Width=1.35mm
Q2: library part CMP-2000-06170-1, "P-Channel Enhancement Mode MOSFET, 310 mW, 20 V, -55 to 150 degC, 3-Pin SOT-323, RoHS, Tape and Reel", Drain-Source On Resistance-Max=750mO, Drain-to-Source Voltage [Vdss]=20V, Manufacturer="Diodes Inc", Package Description="3-Pin Small Outline Transistor, Body 2 x 1.25 mm, Pitch 0.65 mm", Package Reference=SOT323, Rated Power Dissipation=310mW, Channel Type=P-Channel, Datasheet URL=http://www.diodes.com/_files/datasheets/ds31861.pdf, Datasheet Version="Rev. 3-2, 09/2013", Manufacturer URL=http://www.diodes.com/, Mounting Technology=SurfaceMount, Qg Gate Charge=0.622nC
Q3 Q5: library part CMP-006-0005-1, "Transistor MOSFET Array Dual N-CH 60V 300mA 6-Pin SOT-363 Emboss T/R", Continuous Drain Current (ID)=300mA, Drain to Source Voltage (Vdss)=60V, Input Capacitance=40pF, Max Power Dissipation=285mW, FET Type="2 N-Channel", Mounting Technology="Surface Mount", Packaging="Cut Tape", Rds On Max=1.5R, Series=-
Q4: library part CMP-1058-00808-1, "Small Signal MOSFET, 20 V / -8.0 V, Complementary, +0.63 A / -0.775 A, 6-Pin SOT-363, Pb-Free, Tape and Reel", Manufacturer="On Semiconductor", Package Type="SC-88-6 / SC-70-6 / SOT-363-6", PartNumber=NTJD4105CT1G, Channel Polarity=Complementary, ComponentLink1Description="Manufacturer URL", ComponentLink1URL=http://www.onsemi.com/, ComponentLink2Description=Datasheet, ComponentLink2URL=http://www.onsemi.com/pub_link/Collateral/NTJD4105C-D.PDF, ComponentLink3Description="Package Specification", ComponentLink3URL=http://www.onsemi.com/pub_link/Collateral/NTJD4001N-D.PDF, Configuration=Dual, DatasheetVersion="Rev. 2", Mounting Technology="Surface Mount", PackageDescription="6-Pin Small Outline Transistor, Body 2 x 1.25 mm, Pitch 0.65 mm", PackageReference=SOT-363-6-419B-02_W, PackageVersion="Rev. W, 01/2006", Packing="Tape and Reel", RoHS=Pb-Free
R1 R2 R3 R4 R5 R6 R7 R8 R9 R10 R11 R12 R13 R14 R15 R16 R17 R18 R19 R20 R21 R22 R23 R24 R25 R26 R27 R28 R29 R30 R31 R32 R34 R35 R36 R37 R38 R39 R40 R41 R42 R43 R46 R47 R50 R54 R55 R56 R57 R58 R59 R60 R61 R62 R63 R64 R65 R66 R67 R68 R69 R70 R71 R72 R73 R74 R75 R76 R77 R78 R79 R80 R81 R82 R83 R84 R85 R90 R91 R93 R95 R96 R97 R98 R101: library part CMP-009-00002-14, "Resistor"
SD1: library part CMP-2000-05848-1, "MicroSD(TM), Pitch 1.1 mm, 8 Position, Height 1.88 mm, -20 to 85 degC, RoHS, Tape and Reel", Manufacturer=Molex, Package Description="MicroSD(TM), Pitch 1.1 mm, 8 Position, Height 1.88 mm", Datasheet URL=http://www.molex.com/pdm_docs/sd/473521001_sd.pdf, Datasheet Version="Rev. G, 01/2012", Manufacturer URL=http://www.molex.com/, Mounting Technology=SurfaceMount, Package Reference=473521001
SW2 SW3: library part CMP-10040-000029-1, "SWITCH TACTILE SPST-NO 0.02A 15V", Current Rating=5A, Flammability Rating="UL94 V-0", Insulation Color=Black, Max Operating Temperature=85°C, Min Operating Temperature=-40°C, Operating Force=240gf, Actuator Type=Standard, Connector Type=USB, Contact Plating=Gold, Gender=Receptacle, Illumination Type=Non-Illuminated, Mechanical Life=500000Cycles, Mount="Surface Mount", Number of Contacts=24, Number of Ports=1, Packaging="Tape and Reel", Switch Function=Off-Mom, Switch Travel=0.13mm, Termination=Solder, Throw Configuration=SPST
T1: library part CMP-012-00013-1, "Datacom Transformer, LAN; 10/100 BASE-TX; ETHERNET Application(s), 1CT:1CT"
U1 U2: library part CMP-019-00048-2, "2.7-V to 40-V 152-mΩ 1.8-A eFuse with output power limiting 10-VSON -40 to 125"
U3: library part CMP-0321-00456-2, "800 mA, Single-Input, Single Cell Li-Ion Battery Charger with Auto Start. Vovp=6.6 V, 3.5 V, -40 to 85 degC, 10-pin SON (DSQ), Green (RoHS & no Sb/Br)", Manufacturer="Texas Instruments", Over Voltage Protection=N, ComponentLink1Description=Datasheet, ComponentLink1URL=http://www.ti.com/general/docs/lit/getliterature.tsp?genericPartNumber=BQ24040&fileType=pdf, DatasheetVersion=SLUS941A, Eco-Plan="Green (RoHS & no Sb/Br)", Lead Acid=N, Li-Ion=N, Li-Polymer=N, Mounting Technology="Surface Mount", NiCd=N, NiMH=N, PackageDescription="10-Pin Plastic Small Outline No-Lead, 2 x 2 x 0.8 mm Body, 0.4 mm Pitch, Exposed Pad", PackageReference=DSQ0010A, PackageVersion="revB, Apr-2010", PartNumber=BQ24040DSQR, SubFamily="Battery Charge Management", Vin(Min)(V)=3.5
U4 U8: library part CMP-1557-00001-1, "Hall Effect Linear Current Sensor with Overcurrent Fault Output for <100 V Isolation Applications, 3 to 5.5 V, -15.5 to 15.5 A IP, -40 to 125 degC, 12-Pin QFN (EX), RoHS, Tape and Reel", Temperature Max="125 degC", Temperature Min="-40 degC", -3db Bandwidth="0.1 MHz", ComponentLink1Description="Manufacturer URL", ComponentLink1URL=http://www.allegromicro.com/, ComponentLink2Description=Datasheet, ComponentLink2URL=http://www.allegromicro.com/~/media/Files/Datasheets/ACS711-Datasheet.ashx?la=en, ComponentLink3Description="Package Specification", ComponentLink3URL=http://www.allegromicro.com/~/media/Files/Datasheets/ACS711-Datasheet.ashx?la=en, DatasheetVersion="Rev. 3", IP Max="15.5 A", IP Min="-15.5 A", Mounting Technology="Surface Mount", PackageDescription="12-Pin Quad Flat No-Lead, Body 3 x 3 mm, Height 0.8 mm", Packing="Tape and Reel", PartNumber=ACS711KEXLT-15AB-T, RoHS=TRUE, VCC Max="5.5 V", VCC Min="3 V"
U5: library part CMP-019-00052-2, "Switching Regulator, Current-mode, 2A, 2600kHz Switching Freq-Max, PDSO14", Case/Package=HVSON, Max Operating Temperature=85°C, Max Supply Voltage=5.5V, Min Operating Temperature=-40°C, Pins=14, RoHS Compliant=Yes
U6 U10: library part CMP-019-00049-1, "1.6-V to 5.5-V, 40-mΩ, 2.5-A, low-IQ, dual ideal diode 8-SOT-5X3 -40 to 125"
U7: library part CMP-021-00000-1
U9: library part CMP-0323-00146-3, "Buck Step Down Regulator with 3 to 17 V Input and 5 V Output, -40 to 85 degC, 16-Pin QFN (RGT), Green (RoHS & no Sb/Br)", Manufacturer="Texas Instruments", Rating=Catalog, Switch Current Limit(Typ)(A)=4.2, Code_JEDEC=MO-220, ComponentLink1Description=Datasheet, ComponentLink1URL=http://www.ti.com/general/docs/lit/getliterature.tsp?genericPartNumber=TPS62133&fileType=pdf, ComponentLink2Description="Package Specification", ComponentLink2URL=http://www.ti.com/litv/pdf/mpqf119g, ComponentLink3Description="URL Link1", ComponentLink3URL="Samples URL:http://www.ti.com/product/tps62133#samples", DatasheetVersion=SLVSAG7, Duty Cycle(Max)(%)=100, Eco-Plan="Green (RoHS & no Sb/Br)", Iout(Max)(A)=3, Iq(Typ)(mA)=0.017, Mounting Technology="Surface Mount", PackageDescription="16-Pin Plastic Quad Flat No-Lead, 3 x 3 mm Body, 0.5 mm Pitch, 1.7 x 1.7 mm Exposed Pad", PackageReference=RGT0016C, PackageVersion="revH, Oct-2011", PartNumber=TPS62133RGTR, Preset Vout(V)=5, Regulated Outputs(#)=1, SubFamily="Step-Down Regulator", Synchronous Rectification=TRUE, Topology=Buck, Vin(Max)(V)=17, Vin(Min)(V)=3, Vout(Max)(V)=5, Vout(Min)(V)=5
U11: library part CMP-015-0000-2, "Ethernet CTLR Single Chip 10Mbps/100Mbps 3.3V 48-Pin LQFP Reel", Case/Package=LQFP, Max Operating Temperature=85°C, Max Supply Current=132mA, Max Supply Voltage=3.63V, Min Operating Temperature=-40°C, Min Supply Voltage=2.97V, Package Quantity=250, Interface=SPI, Lead Free="Lead Free", Number of Pins=48, Number of Transceivers=1, Operating Supply Current=132mA, Packaging=Tray
U12: library part CMP-020-00020-2, "MCU 32-Bit STM32 ARM Cortex-M4 RISC 512KB Flash 1.71V to 3.6V 64-Pin LQFP T/R", RoHS Compliant=Yes
U13: library part CMP-318-000000-2, "Automotive CAN FD transceiver with watchdog, bus diagnostics and partial networking via sele 14-SOT-23-THIN -40 to 150", Component Type=Standard, Design Item ID=CMP-015-00012-2, Pin Count=14, Source=TCAN1146DYYRQ1.SchLib
U15: library part CMP-04872-000178-1, "IC TRANSCEIVER 1/1 SOT23-8", Case/Package=SOT-23-8, Max Operating Temperature=125°C, Min Operating Temperature=-40°C, Data Rate=1Mbps, Lead Free="Lead Free", Mount="Surface Mount", Packaging="Tape and Reel", RoHS Compliant=Yes
Y1 Y2: library part CMP-2000-05733-3, "Crystal 25MHz ±20ppm (Tol) ±30ppm (Stability) 18pF FUND 60Ω 4-Pin SMD T/R", Case/Package=CSMD, ESR (Equivalent Series Resistance)=60R, Frequency=25MHz, Frequency Stability=30ppm, Frequency Tolerance=20ppm, Load Capacitance=18pF, Max Operating Temperature=85°C, Min Operating Temperature=-40°C, Operating Frequency="25 MHz", Package Quantity=1000, Depth=2.5mm, Height=0.039inch, Lead Free="Lead Free", Length=3.2mm, Mount="Surface Mount", Number of Pins=4, Packaging="Tape and Reel", Radiation Hardening=No, Series=ABM8G, Series Resistance=60R, Termination=SMD/SMT, Tolerance=20ppm, Width=0.098inch
Y3: library part CMP-40224-000006-1, "CRYSTAL 32.7680KHZ 12.5PF SMD", Frequency=32.768kHz, Load Capacitance=12.5pF, Manufacturer="ECS International", Package=ECX-1210, Temperature="-40°C to +85°C", Temperature Range High=+85°C, Temperature Range Low=-40°C, Tolerance=20ppm, Automotive=No, Category=Crys, ComponentLink2Description=Datasheet, ComponentLink2URL=https://ecsxtal.com/store/pdf/ECX-1210.pdf, Device Class L1="Passive Components", Device Class L2="Crystals / Oscillators", Device Class L3=Crystals, Digikey Description="CRYSTAL 32.7680KHZ 12.5PF SMD", ESR=90kΩ, Height=0.5mm, Lead Free=Yes, Manufacturer Part Number=ECS-.327-12.5-1210-TR, Octopart=https://octopart.com/ecs-.327-12.5-1210-tr-ecs+international-81221340, RoHS=TRUE, Series=ECX-1210

## Free pads (board coordinates)
  round 2 hole 1: 2(10,-17) 3(7,-17)

## Via types
v1: diameter 0.5, hole 0.3, TOP SIG to BOTTOM SIG, tented both sides, 203 vias
v2: diameter 0.7, hole 0.5, TOP SIG to BOTTOM SIG, tented both sides, 40 vias
v3: diameter 0.5, hole 0.2, TOP SIG to BOTTOM SIG, 8 vias
v4: diameter 0.5, hole 0.3, TOP SIG to BOTTOM SIG, 6 vias

## Nets (pads, with @x,y where several pads share a name; then routed paths per layer and width w, separated by ;. In a path a pad name is that pad's centre, name@x,y a point inside that pad or via, vN(x,y) a via of type N, cw(c..) or ccw(c..) an arc to the next point about the centre after c; other vN are vias at no path point)
3V3_OUT: Q4.4 R11.2 R15.1 R27.1 R80.2 U2.10 U6.3 | length 57.9
  GND w0.3: v1(-8.498,-1.998) -8.462,-1.962 -8.462,-1.641 -8.072,-1.252 -7.498,-1.252 -7.2,-1.55 -7.2,-2.828 -6.528,-3.5 -4.9,-3.5 3.4,4.8 3.978,4.8 5.712,6.534 5.712,6.712 v1(5.75,6.75) 13,6.75 14.75,8.5 14.75,12.75 15.4,13.4 16.6,13.4 17.2,14 17.2,14.4 15.8,15.8 15.8,16.926 15.624,17.102 13.148,17.102 v1(12.25,18)
  BOTTOM SIG w0.2: R11.2@3.15,13.5 3.15,13.425 2.775,13.05 2.775,11.619 2.892,11.502 6.683,11.502 6.8,11.384 6.8,11.15 Q4.4@6.9,11.05 ; v1@5.75,6.775 R27.1@6.9,7.925
  BOTTOM SIG w0.3: v1(5.75,6.75) v1@5.75,6.775 ; R27.1@6.9,7.925 R80.2@6.9,9.5 ; v1(12.25,18) 12.304,18 12.5,17.804 13.1,17.804 13.138,17.766 13.138,17.712 R15.1@13.35,17.5
  BOTTOM SIG w0.5: R80.2@6.9,9.5 Q4.4@6.9,11.05
5V: C7.1 C62.1 R3.2 R21.1 R22.2 R54.1 R58.1 U1.10 U3.1 U10.3 U13.3 | length 87.7
  PWR + INT SIG w0.3: v1@3.65,9.5 3.612,9.462 3.612,8.808 3.1,8.296 3.1,7.772 3.474,7.398 11.202,7.398 12.298,6.302 12.298,-1.634 11.5,-2.432 11.5,-3.322 11.95,-3.772 11.95,-9.55 11.8,-9.7
  GND w0.3: v1(7.25,0.5) 8.3,0.5 ; v1(9,-7.25) 8.3,-6.55 8.3,0.5 ; v1(17.25,11.75) 17.25,11.722 16.728,11.2 16.2,11.2 15.75,10.75 15.75,5.5 10.75,0.5 8.3,0.5
  BOTTOM SIG w0.2: v1(9,-7.25) 9.427,-7.677 10.798,-7.677 11.4,-7.075 R21.1@11.4,-7
  BOTTOM SIG w0.3: U13.3@-16.971,14.533 -16.769,14.805 -16.236,15.55 ccw(c-16.48,15.724) -16.18,15.724 -16.18,16.314 C62.1@-16,16.521 ; v1(17.25,11.75) R22.2@18.35,11.75
  BOTTOM SIG w0.75: v1(-14.25,7.539) -14.25,7.567 -13.292,8.525 -11.929,8.525 -10.904,7.5 -8,7.5 -7.452,6.952 -2.811,6.952 -2.46,6.6 R3.2@-1.5,6.6 ; R3.2@-1.5,6.311 -1.5,4.439 -1.061,4 3.5,4 4.25,3.25 4.25,1.5 5.25,0.5 v1(7.25,0.5)
  other v1: -13.779,8.038 3.75,9.5
AUX_RADIO_PWR: F3.2 J6.8
  other v4: 12.875,-15.124
BATT_TS: R21.2 U3.9 | length 4.5
  BOTTOM SIG w0.2: U3.9@7.6,-4.05 7.615,-4.065 7.615,-4.542 8.278,-5.205 9.133,-5.205 9.25,-5.322 9.25,-6.075 10.1,-6.925 R21.2@10.1,-7
  other v1: 9.25,-6.25
BST_nFLT: D3.4 U4.6 U5.14 | length 49.6
  TOP SIG w0.3: v1(17.447,13.45) 17.847,13.05 18.1,13.05 D3.4@18.2,12.95
  PWR + INT SIG w0.2: v1(17.447,13.45) 17.485,13.412 17.888,13.412 18.848,12.452 18.848,11.334 23.25,6.932 23.25,-7.25 v1(22.5,-8)
  GND w0.3: v1(3.948,-8.948) 6.962,-11.962 8.212,-11.962 v1(8.25,-12) 10,-13.75 16.75,-13.75 v1(22.5,-8)
  BOTTOM SIG w0.2: U5.14@3.9,-8.5 3.906,-8.5 3.924,-8.518 3.924,-8.924 v1(3.948,-8.948) ; U4.6@7.45,-12.148 7.5,-12.098 8.071,-12.098 8.169,-12 v1(8.25,-12)
CAN0_N: J1.16 J3.16 R97.1 U13.12 | length 21.3
  BOTTOM SIG w0.2: U13.12@-18.828,12.069 -18.887,12.069 -19.203,11.752 -19.25,11.752 -19.317,11.686 -19.348,11.686 -19.96,11.074 -20.213,11.074 -20.454,10.832 -20.454,10.135 R97.1@-20.481,10.109 -20.507,10.082 -21.204,10.082 -21.965,9.322 -21.965,7.535 -23,6.5 -23,-2.035 -22.46,-2.575 -20.2,-2.575 -19.87,-2.905 -18.905,-2.905 v2(-18.635,-3.175)
CAN0_P: J1.15 J3.15 R97.2 U13.13 | length 19.1
  BOTTOM SIG w0.2: v2(-21.365,-3.175) -21.635,-2.905 -22.464,-2.905 -22.492,-2.877 -22.585,-2.877 -23.302,-2.16 -23.302,6.625 -22.267,7.66 -22.267,9.447 -21.546,10.168 -21.546,10.865 R97.2@-21.519,10.891 -21.493,10.918 -20.796,10.918 -20.338,11.375 -20.085,11.375 -19.227,12.233 U13.13@-19.227,12.37
CAN1_N: J1.20 J3.20 R101.1 U15.6 | length 7.1
  TOP SIG w0.2: U15.6@-18.979,-11.249 -19.048,-11.249 -19.849,-10.447 -19.849,-9.992 -19.732,-9.875 -19.65,-9.875 -19.35,-9.575 R101.1@-19.35,-9.5 -19.35,-9.425 -19.65,-9.125 -19.732,-9.125 -19.849,-9.008 -19.849,-8.638 -19.849,-8.472 -19.732,-8.355 -19.565,-8.355 -18.95,-7.74 -18.95,-5.985 -18.685,-5.72 J3.20@-18.635,-5.72
  other v2: -18.635,-5.715
CAN1_P: J1.19 J3.19 R101.2 U15.7 | length 7.2
  TOP SIG w0.2: J3.19@-21.365,-5.72 -21.315,-5.72 -21.05,-5.985 -21.05,-7.74 -20.435,-8.355 -20.268,-8.355 -20.151,-8.472 -20.151,-8.763 -20.151,-9.008 -20.268,-9.125 -20.35,-9.125 -20.65,-9.425 R101.2@-20.65,-9.5 ; R101.2@-20.65,-9.575 -20.35,-9.875 -20.268,-9.875 -20.151,-9.992 -20.151,-10.572 -19.712,-11.011 -19.712,-11.421 U15.7@-19.512,-11.622
  other v2: -21.365,-5.715
CAN_INH: Q5.2 R7.2 R31.1 U13.7 | length 38.3
  BOTTOM SIG w0.2: U13.7@-15.373,13.329 -15.576,13.127 -15.576,12.506 -15.75,12.331 v1(-15.75,12.25) -15.75,11.65 -17.4,10 -17.4,8.6 -16.276,7.476 -15.211,7.476 -13.254,9.432 -13.049,9.432 v1@-12.991,9.49 ; v1(-12.99,9.49) -12.48,10 -11.225,10 -10.825,10.4 R31.1@-10.75,10.4 -10.675,10.4 -10.012,9.737 -7.007,9.737 -6.997,9.728 R7.2@-6.272,9.728 ; R7.2@-6.5,9.4 -6.425,9.4 -5.5,10.325 -5.5,10.9 -2.25,14.15 -2.25,15.25 -1.9,15.6 1.9,15.6 5.248,18.948 5.248,19.548 6,20.3 6,20.75 6.15,20.9 6.6,20.9 Q5.2@6.7,21
CHG_N: R19.2 U3.8 | length 3
  BOTTOM SIG w0.2: U3.8@8,-4.05 8.015,-4.065 8.015,-4.515 8.4,-4.9 8.406,-4.9 8.409,-4.903 9.578,-4.903 10.1,-5.425 R19.2@10.1,-5.5
EN: Q1.3 R30.2 U5.12 | length 42.3
  PWR + INT SIG w0.3: v1(-12.25,9.5) -12.25,8.55 -11.7,8 -11.7,7.522 -12.022,7.2 -12.7,7.2 -13.527,6.373 -13.527,3.841 -15.027,2.341 -15.027,0.282 -8.145,-6.6 -3.716,-6.6 -1.978,-8.338 -1.978,-9.728 v1(-2,-9.75)
  BOTTOM SIG w0.2: v1(-2,-9.75) -1.975,-9.75 R30.2@-0.575,-11.15 ; R30.2@-0.5,-11.15 -0.425,-11.15 0.975,-9.75 4.45,-9.75 4.904,-9.296 5.662,-9.296 5.788,-9.171 5.788,-7.33 5.67,-7.212 4.83,-7.212 4.542,-7.5 U5.12@3.9,-7.5
ETH_3V3: C39.1 C40.1 D5.2 D5.3 FB1.1 Q4.3 R62.2 R71.2 R75.2 U11.28 U11.43 U11.44 U11.45 | length 35.4
  TOP SIG w0.2: U11.45@5.275,10.75 6.324,10.75 6.5,10.926 6.5,11.25 ; U11.44@5.275,11.25 6.5,11.25 ; U11.43@5.275,11.75 6.375,11.75 6.5,11.875 ; v1(7.5,13) 7,13 6.5,12.5 6.5,11.875 ; 6.5,11.25 6.5,11.875
  TOP SIG w0.3: v1(10.75,14.75) U11.28@10.75,16.225 ; D5.2@21.3,9.05 v1(21.3,9.95)
  PWR + INT SIG w0.3: v1(10.75,14.75) 10.776,14.75 11.026,15 16.886,15 19.25,12.636 19.25,11.5 20.762,9.988 21.262,9.988 v1(21.3,9.95)
  BOTTOM SIG w0.3: R62.2@7.15,17.5 8.1,17.5 9.077,18.477 10.248,18.477 10.9,17.825 R71.2@10.9,17.75 10.95,17.7 10.95,14.779 C40.1@11,14.729
  BOTTOM SIG w0.5: Q4.3@6.9,12.95 6.95,12.9 FB1.1@8.25,12.9 8.704,13.354 8.704,14.328 8.997,14.621 9.414,14.621 9.5,14.707 C39.1@9.5,14.729 C40.1@11,14.729
ETH_3V3A: C32.1 C33.1 C34.1 C35.1 C36.1 C37.1 C38.1 FB1.2 R60.2 R63.1 R76.1 U11.4 U11.8 U11.11 U11.15 U11.17 U11.21 | length 35.5
  TOP SIG w0.3: U11.4@8.25,7.775 v1(8.25,9.25) ; U11.8@10.25,7.775 v1(10.25,9.25) ; U11.11@11.75,7.775 v1(11.75,9.25) ; v1(12.25,10.25) 12.95,10.25 U11.15@13.725,10.25 ; v1(12.25,11.25) U11.17@13.725,11.25 ; v1(12.25,13.25) U11.21@13.725,13.25
  BOTTOM SIG w0.3: R76.1@5.35,2.5 5.35,2.575 5.977,3.202 5.977,4.998 R63.1@5.325,5.65 ; v1(8.25,9.25) 8.25,7.75 6.824,6.324 6.824,5.724 R60.2@6.75,5.65 R63.1@5.325,5.65 ; v1(12.25,11.25) 12.304,11.25 12.368,11.314 12.814,11.314 12.835,11.314 C36.1@13.021,11.5 ; R63.1@5.325,5.65 R63.1@5.25,5.65 R63.1@5.325,5.65
  BOTTOM SIG w0.5: C33.1@8.171,10.1 C33.1@8.25,10.021 ; v1(8.25,9.25) C33.1@8.25,10.021 ; FB1.2@8.25,12.1 8.5,12.1 9,11.6 9,10.021 ; v1(10.25,9.25) 10.5,9.25 C34.1@11.25,10 ; C35.1@11.25,8.479 11.336,8.565 11.336,8.836 v1(11.75,9.25) 11.737,9.263 11.737,9.513 C34.1@11.25,10 ; C34.1@11.261,10.011 C34.1@11.25,10.021 ; v1(12.25,13.25) 12.414,13.086 12.935,13.086 C37.1@13.021,13 ; C38.1@13.021,14.5 C37.1@13.021,13 ; C33.1@8.25,10.021 9,10.021 ; 9,10.021 C32.1@9.75,10.021 11.229,10.021 C34.1@11.25,10 ; C34.1@11.25,10 C34.1@11.25,10.021 ; C34.1@11.25,10.021 11.25,10.043 11.336,10.129 12.129,10.129 v1(12.25,10.25) 12.25,10.75 12.814,11.314 13,11.5 C36.1@13.021,11.5 C37.1@13.021,13
ETH_MISO: U7.13 U11.34 U12.20 U13.6 | length 51.8
  TOP SIG w0.15: U12.20@1.75,13.75 2.813,13.75 3.627,14.563 3.627,14.89 4.44,15.703 6.158,15.703 6.631,15.23 7.327,15.23 7.716,15.619 7.716,16.191 U11.34@7.75,16.225
  TOP SIG w0.2: U7.13@-8,0.2 -8,0.95 -7.55,1.4 -6.935,1.4 -6.634,1.702 -5.675,1.702 -5.28,2.097 1.223,2.097 2.002,2.875 2.002,8.698 1.45,9.25 v1(1,9.25) ; v1(0.002,13.75) U12.20@1.75,13.75
  PWR + INT SIG w0.2: v1(-16.5,12.75) -14.956,14.294 -14.3,14.294 -14.299,14.295 -12.922,14.295 -12.528,13.902 -0.231,13.902 -0.08,13.75 v1(0.002,13.75)
  GND w0.2: v1(0.002,13.75) 0,13.748 0,12.973 0.998,11.975 0.998,9.892 1,9.891 v1(1,9.25)
  BOTTOM SIG w0.2: v1(-16.5,12.75) -16.5,12.793 -15.773,13.521 U13.6@-15.773,13.63
ETH_MOSI: U7.14 U11.35 U12.21 U13.11 | length 56.6
  TOP SIG w0.15: U12.21@1.75,14.25 2.958,14.25 3.375,14.667 3.375,14.994 4.356,15.975 5.325,15.975 6.6,17.25 7.133,17.25 7.25,17.133 U11.35@7.25,16.225
  TOP SIG w0.2: U7.14@-10,0.2 -10,0.95 -9.248,1.702 -7.06,1.702 -6.758,2.003 -5.8,2.003 -5.405,2.398 1.098,2.398 1.7,3 1.7,8.3 1.25,8.75 0.793,8.75 0.5,9.043 v1(0.5,9.75) ; v1@0.5,14.257 1.743,14.257 U12.21@1.75,14.25
  PWR + INT SIG w0.2: v1(-18,13) -17.2,13.8 -15.9,13.8 -15.465,14.235 -15.453,14.235 -15.092,14.595 -14.425,14.595 -14.424,14.597 -12.797,14.597 -12.403,14.203 -0.597,14.203 -0.536,14.264 v1(0.5,14.264)
  GND w0.2: v1(0.5,9.75) 0.5,9.82 0.697,10.017 0.697,11.85 -0.498,13.045 -0.498,14.002 -0.236,14.264 v1(0.5,14.264)
  BOTTOM SIG w0.2: U13.11@-18.429,11.768 -18.429,11.841 -18.003,12.267 v1@-18.003,12.997
ETH_nCS: R62.1 U11.32 U12.18 | length 13.3
  TOP SIG w0.15: U12.18@1.75,12.75 1.754,12.754 2.529,12.754 4.13,14.355 4.13,14.681 4.649,15.2 5.95,15.2 6.425,14.725 v1@7.5,14.725 ; v1(7.496,14.504) 7.5,14.507 v1@7.5,14.725 ; U11.32@8.75,16.225 8.75,15.65 7.825,14.725 v1@7.5,14.725
  BOTTOM SIG w0.15: R62.1@5.85,17.5 5.85,16.15 v1(7.496,14.504)
ETH_nINT: R71.1 U11.36 U12.23 | length 9.1
  TOP SIG w0.15: U12.23@1.75,15.25 1.791,15.291 3,15.291 v1(3.041,15.331)
  PWR + INT SIG w0.2: v1(3.041,15.331) 3.079,15.293 3.22,15.293 3.263,15.25 5.625,15.25 v1(6.6,16.225)
  BOTTOM SIG w0.2: v1(6.6,16.225) 8.325,16.225 9.305,17.205 9.305,17.455 R71.1@9.6,17.75